# KiCad board constellation.kicad_pcb (continued)
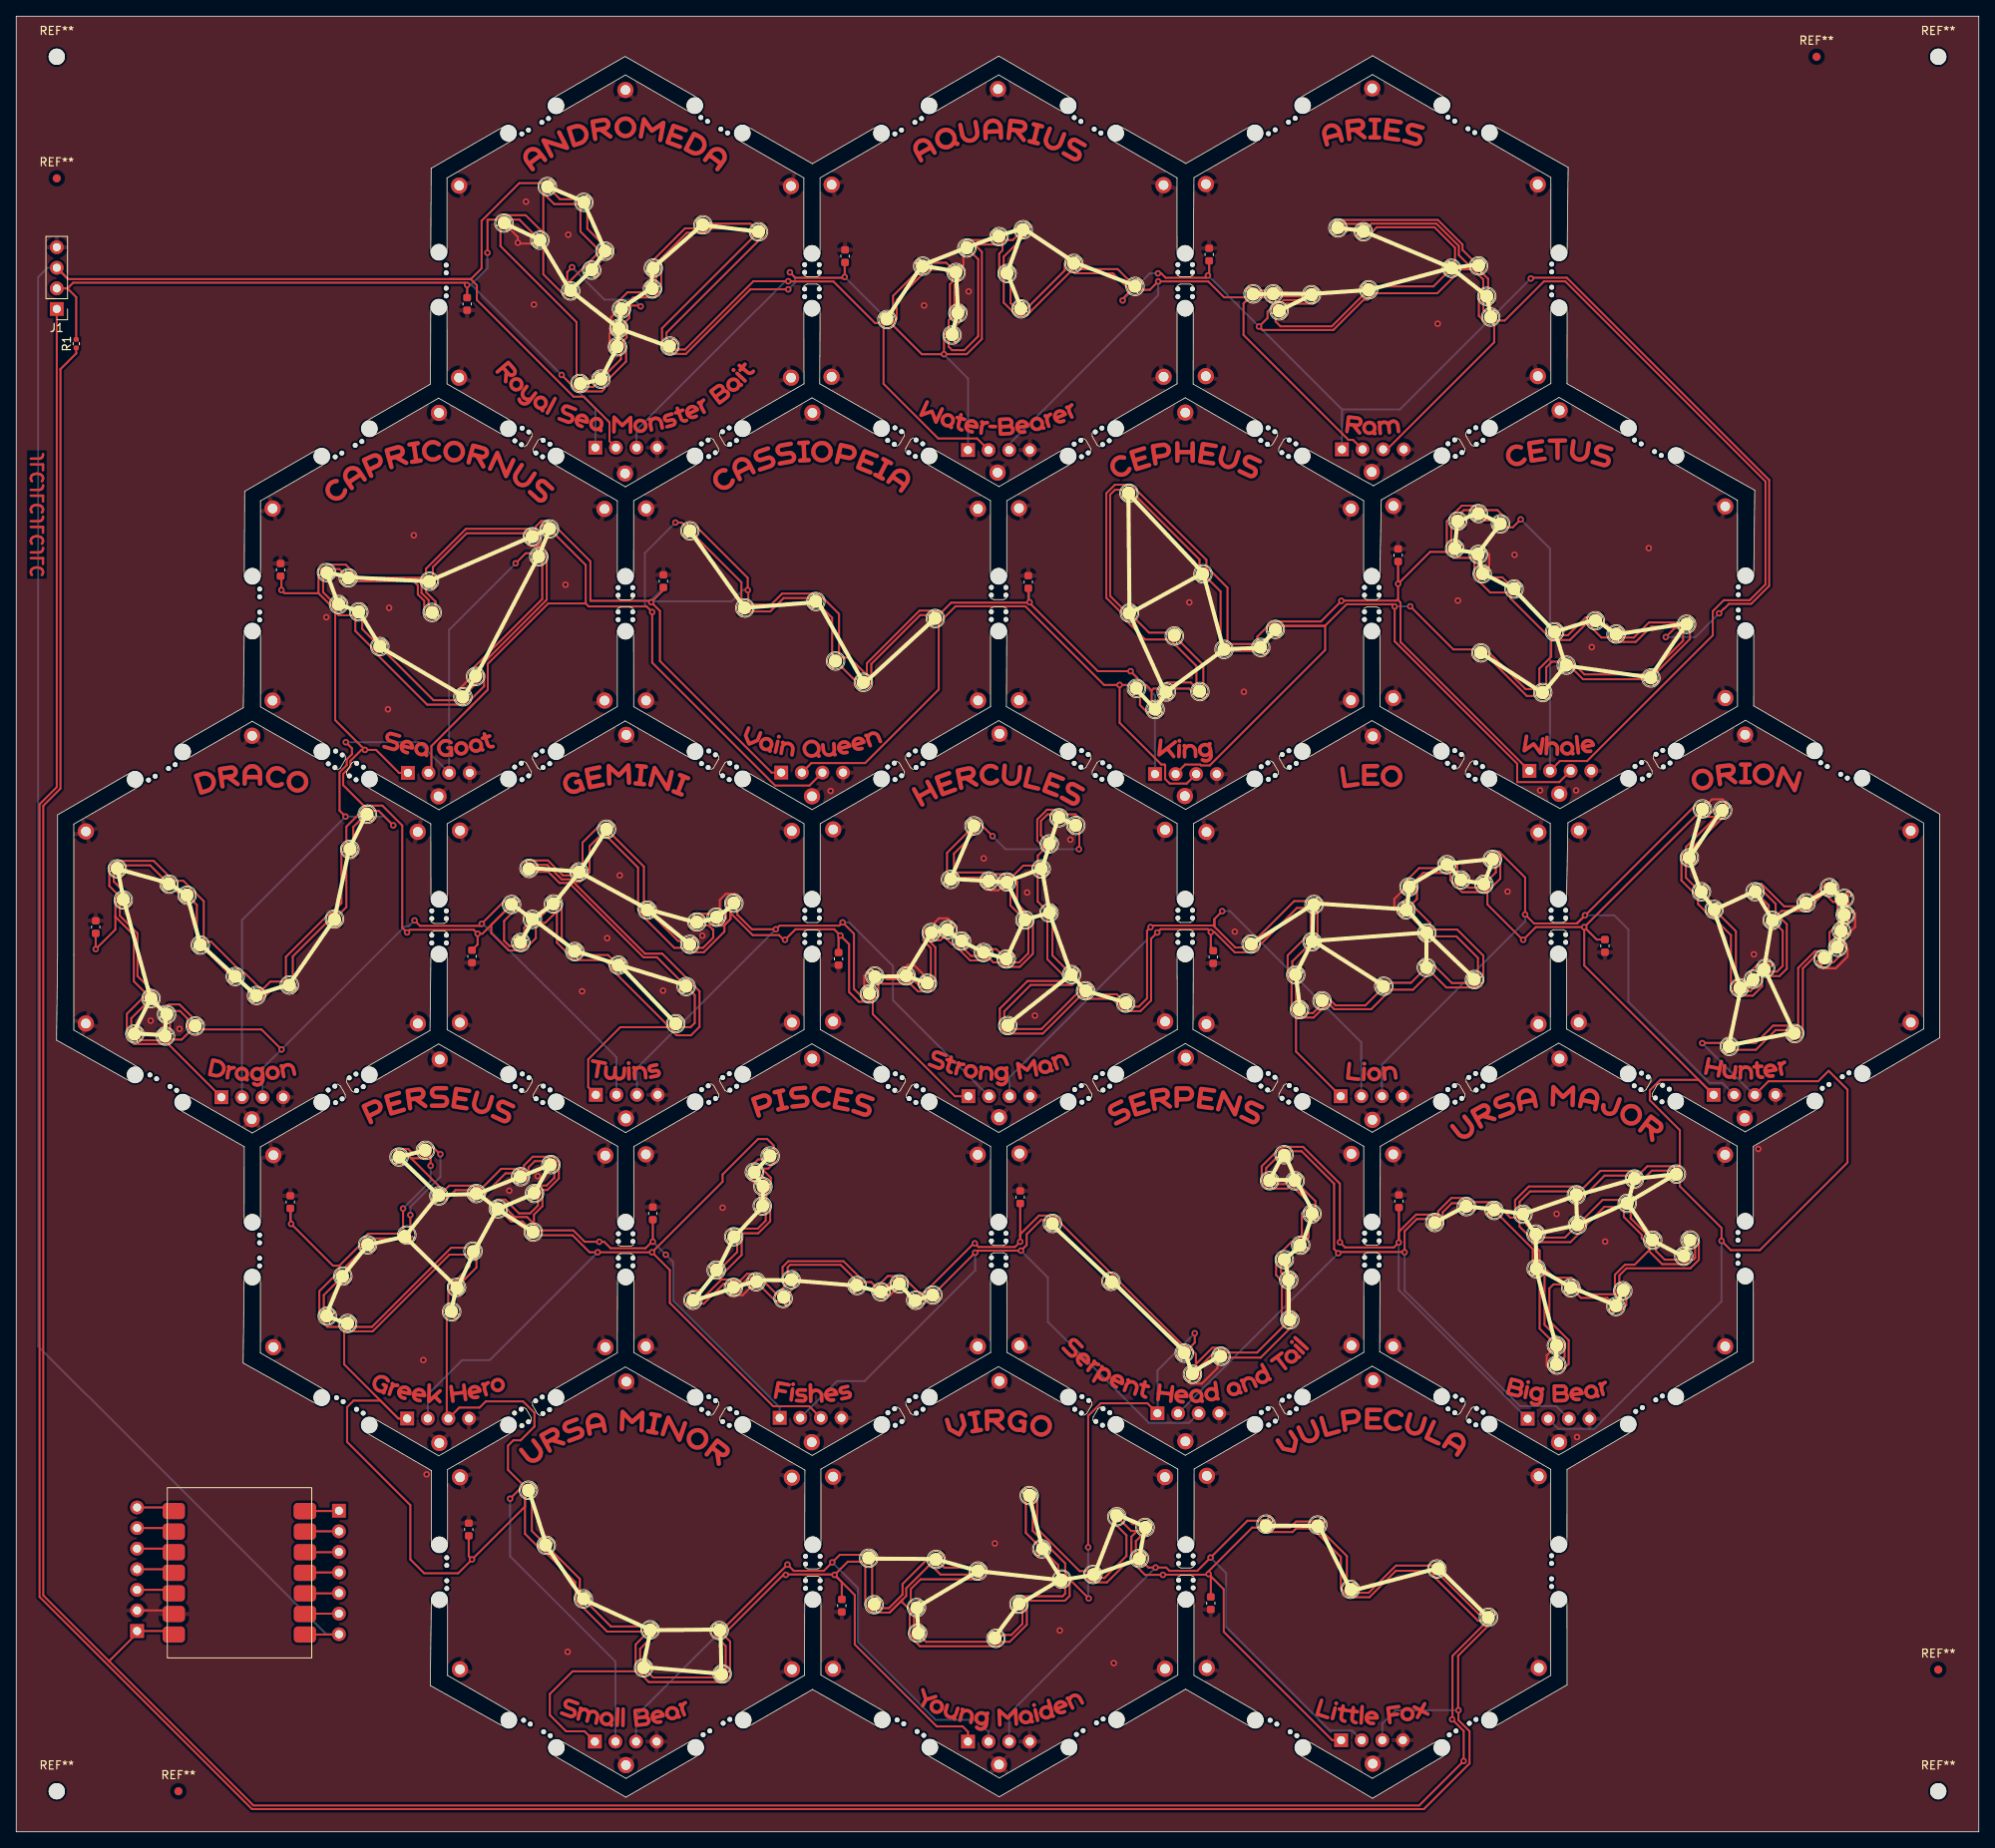
[diagram p0: board, top side]
## Routing (per net, layer and track width the routed paths; a pad name or vN(x,y) marks a point on that pad's centre or on a via; arc(x,y) is an arc through that point) (continued)
Net-(U225-DOUT): length 4.8
  Top w0.25: 66.36,81.9 66.36,80.69 65.4,79.74 63.78,79.74 63.48,79.44 U225.1
Net-(U226-DOUT): length 4.6
  Top w0.25: 65.5,82.75 63.95,82.75 63.16,81.97 63.16,80.69 62.87,80.4 62.62,80.4
Net-(U227-DOUT): length 5.8
  Top w0.25: U228.4 57.42,78.32 60.34,81.25 U227.1
Net-(U228-DOUT): length 4.2
  Top w0.25: U228.1 54.17,79.17 53.02,78.03 U229.4
Net-(U229-DOUT): length 5.7
  Top w0.25: U229.1 51.59,78.88 U230.4
Net-(U230-DOUT): length 4
  Top w0.25: U231.4 48.94,83.65 48.36,84.23 46.85,84.23 46.78,84.16 U230.1
Net-(U231-DOUT): length 12.9
  Top w0.25: U231.1 51.37,84.5 52.27,83.6 v1(52.3,83.6) ; v1(48.6,76.1) 48.6,74.06 U232.4
  Bottom w0.25: v1(48.6,76.1) 48.6,77.1 52.3,80.8 v1(52.3,83.6)
Net-(U232-DOUT): length 4.1
  Top w0.25: U232.1 44.11,73.2 43.76,72.84
Net-(U233-DOUT): length 3.9
  Top w0.25: U234.4 40.7,69.79 42.9,72 42.91,72
Net-(U234-DOUT): length 4.9
  Top w0.25: 37.92,64.04 37.92,66.22 39.84,68.13
Net-(U235-DOUT): length 1.7
  Top w0.25: U236.4 40.38,63.19 U235.1
Net-(U236-DOUT): length 18.7
  Top w0.25: U237.4 53.63,72.06 43.86,62.29 U236.1
Net-(U237-DOUT): length 4.5
  Top w0.25: U238.4 56.75,69.62 U237.1
Net-(U238-DOUT): length 2.3
  Top w0.25: U239.4 53.87,64.83 U238.1
Net-(U240-DOUT): length 6.5
  Top w0.25: U241.4 63.58,37.12 U240.1
Net-(U241-DOUT): length 7.3
  Top w0.25: U242.4 69.5,31.2 U241.1
Net-(U242-DOUT): length 8.6
  Top w0.25: U242.1 73.32,25.34 U243.4
Net-(U243-DOUT): length 4.5
  Top w0.25: U243.1 78.6,24.24 76.93,22.57 U244.4
Net-(U244-DOUT): length 9.2
  Top w0.25: U244.1 78.53,19.05 U245.4
Net-(U245-DOUT): length 5
  Top w0.25: U246.4 86.26,24.15 87.48,22.93 U245.1
Net-(U247-DOUT): length 5
  Top w0.25: U247.1 105.55,28.65 105.34,28.44
Net-(U248-DOUT): length 10.2
  Top w0.25: U248.1 107.61,27.59 109.29,29.28 109.29,30.57 112.75,34.03 U249.4
Net-(U249-DOUT): length 4.6
  Top w0.25: U249.1 114.44,32.59 U250.4
Net-(U250-DOUT): length 11.6
  Top w0.25: U251.4 110.31,28.36 110.31,29.95 111.51,31.15 118.69,31.15 119.03,31.49 U250.1
Net-(U251-DOUT): length 2.6
  Top w0.25: U252.4 110.72,26.43 111.43,27.14 U251.1
Net-(U252-DOUT): length 9.1
  Top w0.25: U252.1 112.2,23.44 U253.4
Net-(U253-DOUT): length 5.4
  Top w0.25: U254.4 124.07,25.65 122.71,24.29 U253.1
Net-(U254-DOUT): length 8
  Top w0.25: U254.1 123.22,28.76 123.52,29.06 129.03,29.06 129.35,29.38 U255.4
Net-(U255-DOUT): length 3.5
  Top w0.25: U256.4 128.5,32.87 U255.1
Net-(U256-DOUT): length 6.4
  Top w0.25: U257.4 124.49,36.88 U256.1
Net-(U257-DOUT): length 13.5
  Top w0.25: U257.1 125.59,41.91 125.89,41.61 125.89,37.41 131.13,32.17 U258.4
Net-(U258-DOUT): length 9.9
  Top w0.25: U258.1 134.19,31.32 136.9,34.03 136.9,36.58 135.29,38.19 U259.4
Net-(U259-DOUT): length 3.2
  Top w0.25: U260.4 137.63,37.97 136.31,39.29 U259.1
Net-(U260-DOUT): length 3.9
  Top w0.25: U261.4 138.06,35.86 138.6,36.4 139.15,36.4 139.62,36.87 U260.1
Net-(U262-DOUT): length 5.8
  Top w0.25: U263.4 157.81,38.28 157.06,37.53 U262.1
Net-(U263-DOUT): length 8.4
  Top w0.25: U264.4 164.08,34.02 160.91,37.19 U263.1
Net-(U264-DOUT): length 11.2
  Top w0.25: U265.4 170.13,32.85 166.77,29.49 U264.1
Net-(U265-DOUT): length 7.9
  Top w0.25: U265.1 175.61,31.59 180.31,26.89 U266.4

## Copper pours and planes (outline as drawn; the poured copper is in the pictures)
GND on Top, Bottom: -0.59,225.1 -1.03,-0.56 243.16,-1.23 243.21,225.94 -0.59,225.08

## Text on the board
B.Silkscreen: JLCJLCJLCJLC | PCB Constellation (Version: 2024-July-07) / Created by: Steven Smethurst @funvill / https://github.com/funvill/pcb-constellation / blog.abluestar.com | GND / LED-IN / 5V / LED-OUT
Top: JLCJLCJLCJLC
